# Altium PCB Ixora.PcbDoc (part 4 of 13)
Units mm, origin at the board's own origin, x right, y up, seen from the top; angles counter-clockwise.
Board outline 125 x 90 mm, 6 copper layers (Top Layer, GND, Mid-Layer 1, Mid-Layer 2, POWER, Bottom Layer), stack 1.561 mm thick; 454 components, 512 nets, 2071 pads, 863 vias.
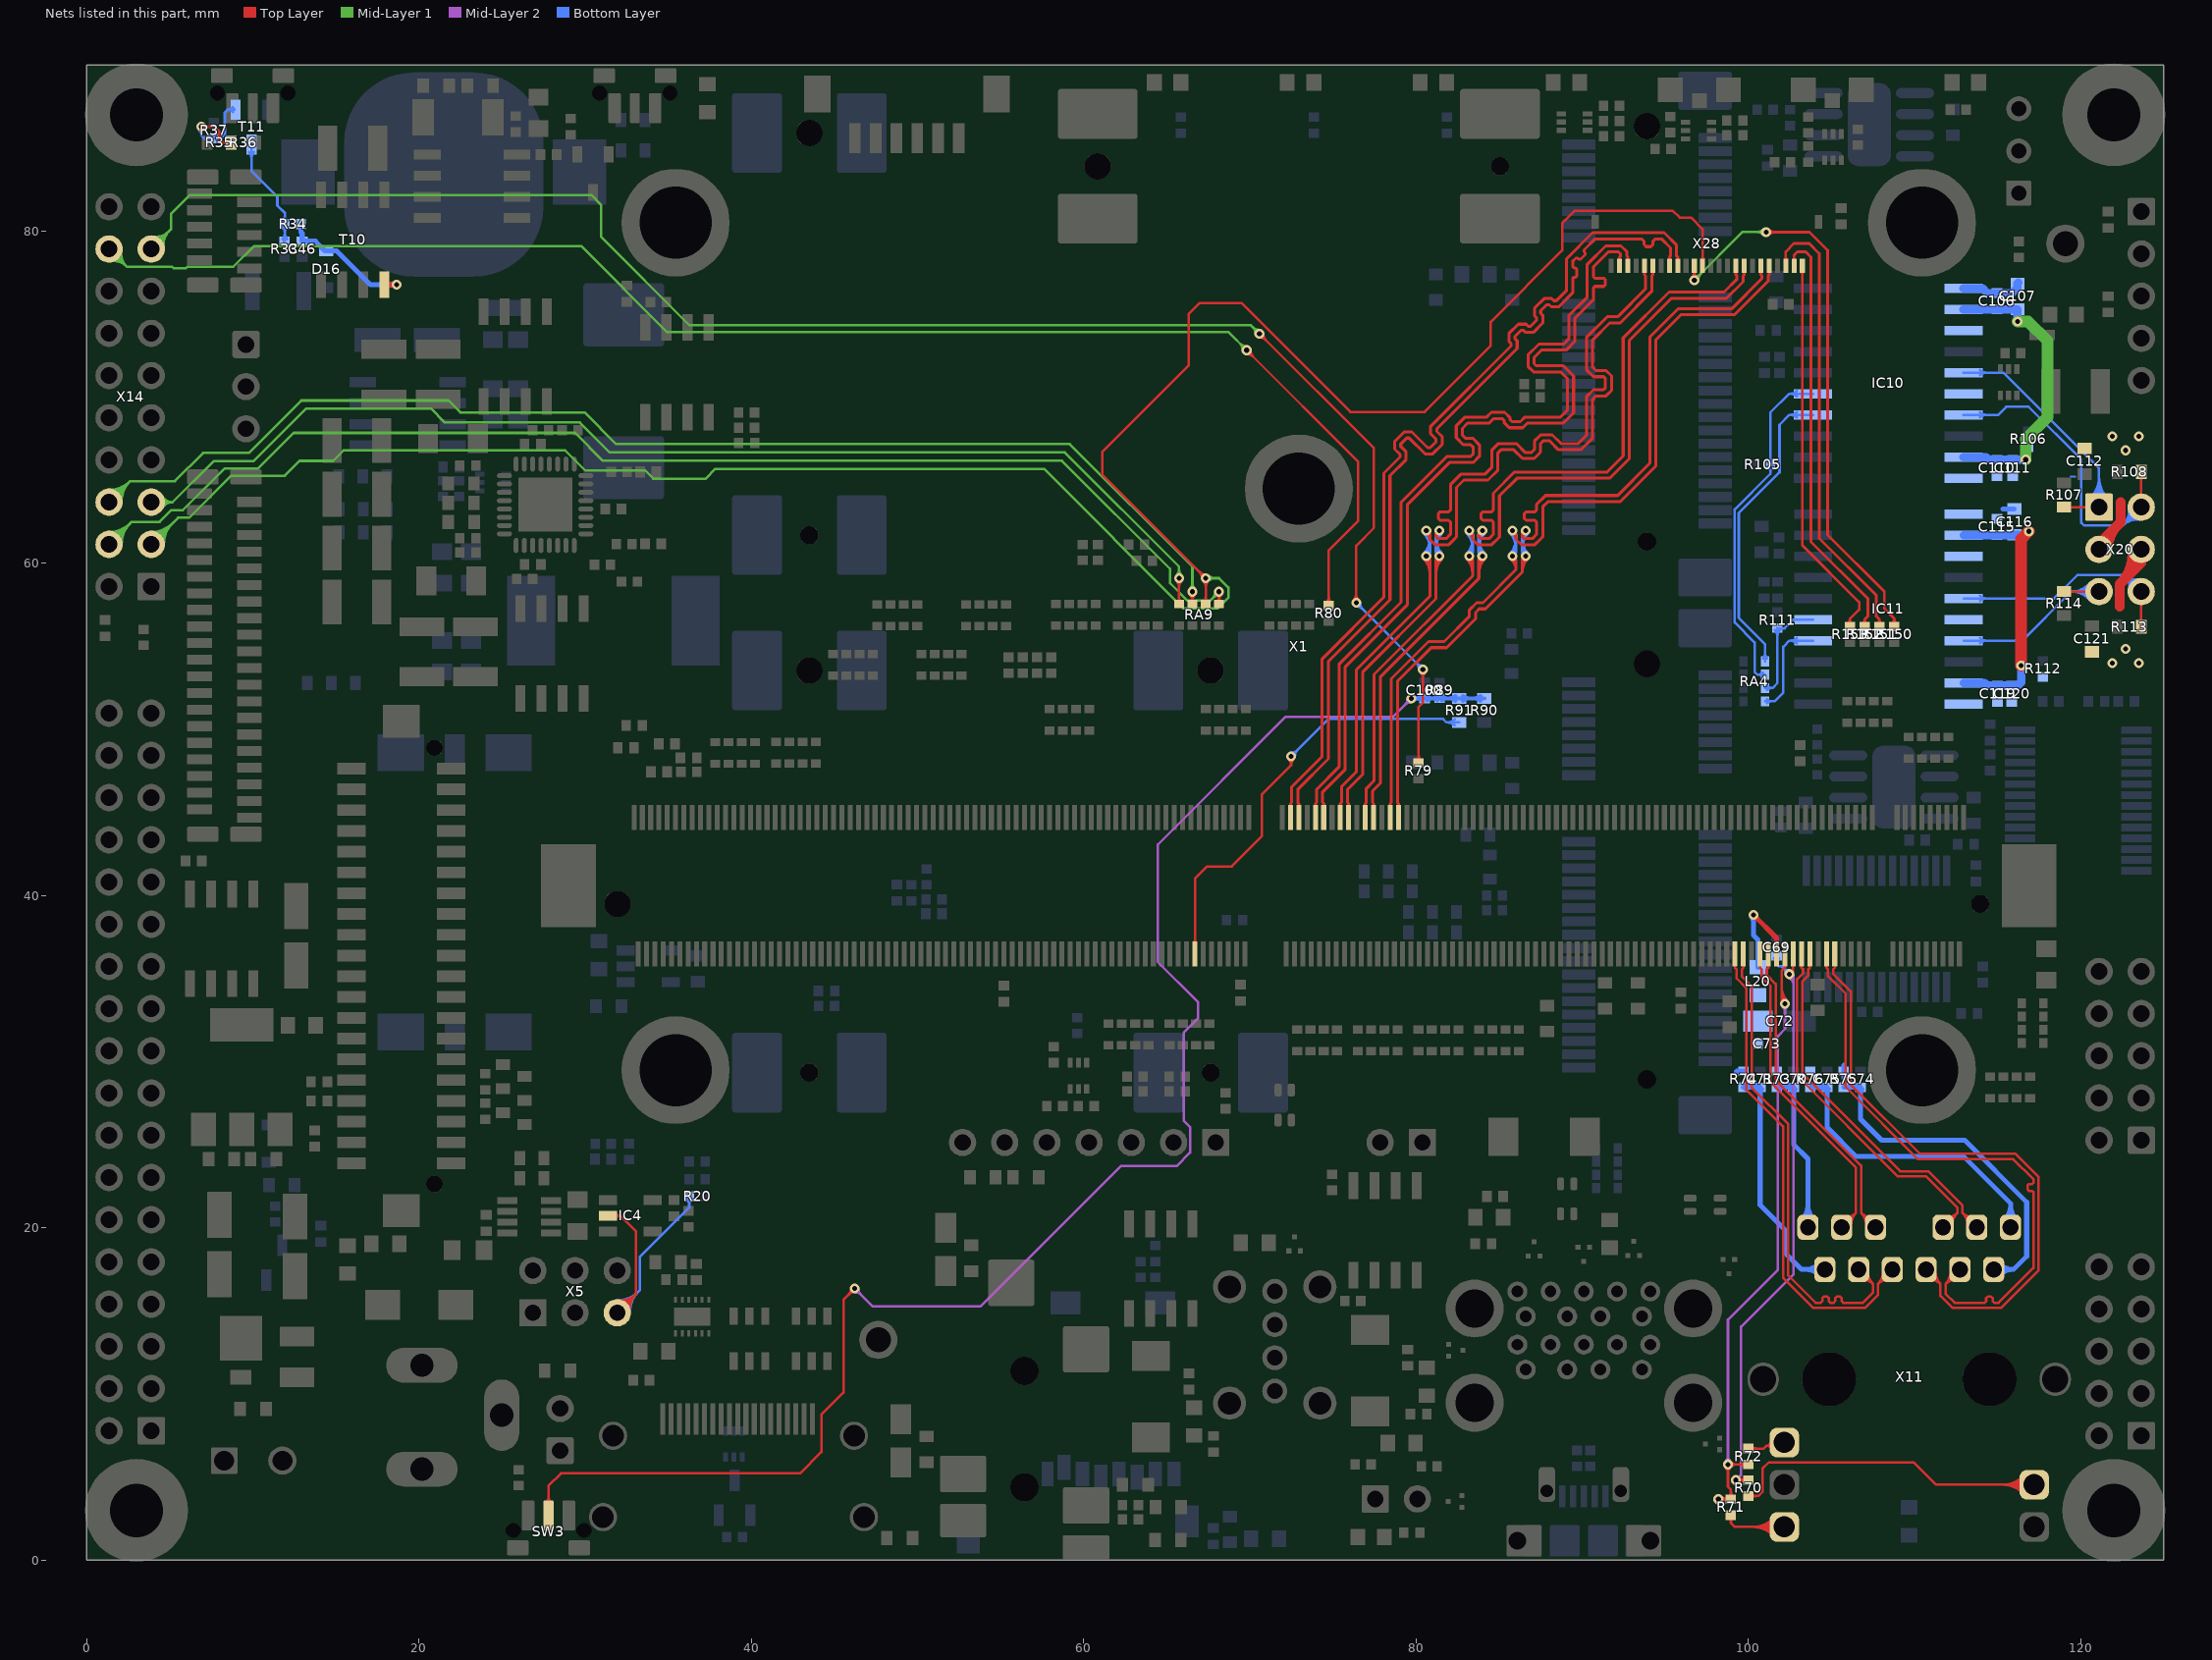
[diagram p8: the nets of this part, all layers, seen from the top]

## Via types
v1: diameter 0.6, hole 0.3, Top Layer to Bottom Layer, tented both sides, 852 vias
v2: diameter 0.6, hole 0.3, Top Layer to Bottom Layer, 11 vias

## Nets (pads, with @x,y where several pads share a name; then routed paths per layer and width w, separated by ;. In a path a pad name is that pad's centre, name@x,y a point inside that pad or via, vN(x,y) a via of type N, cw(c..) or ccw(c..) an arc to the next point about the centre after c; other vN are vias at no path point) (continued)
CAM1_D8: R79.2 X14.17 | length 115.8
  Top Layer w0.15: v1(70.578,73.824) v1@70.578,73.821 ; v1@70.578,73.593 v1@70.578,73.821 ; v1@70.578,73.599 cw(c70.578,73.056) 70.962,73.44 cw(c71.346,73.824) v1@70.803,73.824 ; v1(70.578,73.824) v1@70.578,73.821 ; v1@76.244,57.792 ccw(c75.86,58.176) 76.403,58.176 ccw(c76.946,58.176) v1@76.562,57.792 ; v1(76.403,57.633) 76.403,61.068 77.47,62.135 77.47,66.929 v1@70.578,73.821 ; R79.2@80.014,48.139 ccw(c79.655,48.497) 80.162,48.497 ccw(c80.669,48.497) R79.2@80.311,48.139 ; R79.2@80.162,47.99 80.162,51.359 80.416,51.613 v1(80.416,53.619) ; 80.416,53.076 cw(c80.96,53.076) 80.575,53.46 ccw(c80.96,53.076) 80.416,53.076 ; 80.416,53.076 ccw(c79.873,53.076) 80.257,53.46 cw(c79.873,53.076) 80.416,53.076
  Mid-Layer 1 w0.15: X14.17@3.9,78.92 5.08,80.1 5.08,81.03 6.219,82.169 30.378,82.169 30.963,81.585 30.963,79.654 36.285,74.332 70.07,74.332 v1(70.578,73.824) v1@70.806,73.824 ; X14.17@3.962,79.366 ccw(c4.056,80.044) 4.54,79.56 ccw(c5.024,79.076) X14.17@4.346,78.982 ; X14.17@3.982,79.514 ccw(c4.108,80.418) 4.753,79.773 ccw(c5.398,79.128) X14.17@4.494,79.002 ; X14.17@4.003,79.663 ccw(c4.16,80.793) 4.966,79.986 ccw(c5.773,79.18) X14.17@4.643,79.023 ; v1@70.353,73.824 ccw(c69.81,73.824) 70.194,74.208 ccw(c70.578,74.592) v1@70.578,74.049
  Bottom Layer w0.15: v1@76.403,57.408 cw(c76.403,56.864) 76.787,57.248 cw(c77.171,57.633) v1@76.628,57.633 ; 76.784,57.252 v1(80.416,53.619) ; v1@80.191,53.619 ccw(c79.648,53.619) 80.032,54.003 ccw(c80.416,54.388) v1@80.416,53.844
CAM1_D9: R80.2 X14.18 | length 98.1
  Top Layer w0.15: v1@69.811,72.604 cw(c69.811,72.06) 70.195,72.445 cw(c70.579,72.829) v1@70.036,72.829 ; v1(69.811,72.829) 76.505,66.135 76.505,62.535 74.752,60.782 R80.2@74.752,57.478 ; R80.2@74.604,57.626 ccw(c74.245,57.985) 74.752,57.985 ccw(c75.259,57.985) R80.2@74.901,57.626
  Mid-Layer 1 w0.15: X14.18@1.36,78.92 2.429,77.851 5.156,77.851 5.258,77.749 5.969,77.749 6.071,77.851 8.839,77.851 10.091,79.102 29.762,79.102 34.95,73.915 68.725,73.915 v1(69.811,72.829) ; X14.18@1.438,78.477 cw(c1.543,77.879) 1.972,78.308 cw(c2.401,78.737) X14.18@1.803,78.842 ; X14.18@1.464,78.329 cw(c1.603,77.532) 2.176,78.104 cw(c2.748,78.677) X14.18@1.951,78.816 ; X14.18@1.49,78.181 cw(c1.664,77.184) 2.38,77.9 cw(c3.096,78.616) X14.18@2.099,78.79 ; v1@69.586,72.829 ccw(c69.043,72.829) 69.427,73.213 ccw(c69.811,73.597) v1@69.811,73.054
CAM1_HSYNC: RA9.5 X14.5 | length 75.5
  Top Layer w0.15: v1@65.589,58.947 cw(c65.205,58.563) 65.748,58.563 cw(c66.291,58.563) v1@65.907,58.947 ; RA9.5@65.624,57.68 ccw(c65.326,57.979) 65.748,57.979 ccw(c66.17,57.979) RA9.5@65.872,57.68 ; RA9.5@65.748,57.556 v1(65.748,59.106)
  Mid-Layer 1 w0.15: X14.5@3.9,63.68 5.18,63.68 ; X14.5@4.423,63.387 cw(c4.924,63.106) 4.924,63.68 cw(c4.924,64.254) X14.5@4.423,63.973 ; X14.5@4.554,63.313 cw(c5.18,62.963) 5.18,63.68 ; X14.5@4.554,64.047 ccw(c5.18,64.397) 5.18,63.68 ; v1@65.589,59.265 ccw(c65.205,59.649) 65.748,59.649 ccw(c66.291,59.649) v1@65.907,59.265 ; v1(65.748,59.106) 65.748,59.802 58.871,66.679 31.492,66.679 29.693,68.478 21.565,68.478 20.726,69.317 13.217,69.317 10.05,66.15 7.65,66.15 5.18,63.68
CAM1_MCLK: RA9.7 X14.3 X28.12 | length 150
  Top Layer w0.15: v1@67.123,59.106 ccw(c66.58,59.106) 66.964,59.49 ccw(c67.348,59.874) v1@67.348,59.331 ; v1@67.189,58.947 cw(c66.805,58.563) 67.348,58.563 cw(c67.891,58.563) v1@67.507,58.947 ; RA9.7@67.224,57.68 ccw(c66.926,57.979) 67.348,57.979 ccw(c67.77,57.979) RA9.7@67.472,57.68 ; RA9.7@67.348,57.556 v1(67.348,59.106) 61.138,65.316 61.138,66.726 66.319,71.907 66.319,75.006 66.98,75.667 69.496,75.667 76.048,69.114 80.519,69.114 84.505,73.1 84.505,74.537 88.797,78.83 88.797,80.456 89.571,81.229 95.447,81.229 95.868,80.808 96.554,80.808 97.25,80.112 X28.12@97.25,77.905 ; X28.12@97.197,78.309 ccw(c97.069,78.437) 97.25,78.437 ccw(c97.431,78.437) X28.12@97.303,78.309
  Mid-Layer 1 w0.15: X14.3@3.9,61.14 5.51,62.75 6.184,62.75 8.709,65.275 11.935,65.275 12.827,66.167 14.839,66.167 15.474,66.802 28.804,66.802 30.023,65.583 33.63,65.583 34.112,65.1 37.262,65.1 37.846,65.684 57.616,65.684 66.023,57.277 68.047,57.277 68.707,57.937 68.707,58.547 68.148,59.106 v1(67.348,59.106) ; X14.3@3.9,61.59 ccw(c3.9,62.676) 4.668,61.908 ccw(c5.436,61.14) X14.3@4.35,61.14 ; X14.3@3.9,61.74 ccw(c3.9,63.189) 4.924,62.164 ccw(c5.949,61.14) X14.3@4.5,61.14 ; X14.3@3.9,61.89 ccw(c3.9,63.701) 5.18,62.42 ccw(c6.461,61.14) X14.3@4.65,61.14 ; v1@67.507,58.947 cw(c67.891,58.563) 67.891,59.106 cw(c67.891,59.649) v1@67.507,59.265
CAM1_PCLK: RA9.8 X14.4 | length 84.4
  Top Layer w0.15: v1@67.989,58.134 cw(c67.605,57.75) 68.148,57.75 cw(c68.691,57.75) v1@68.307,58.134 ; RA9.8@68.024,57.68 ccw(c67.726,57.979) 68.148,57.979 ccw(c68.57,57.979) RA9.8@68.272,57.68 ; RA9.8@68.148,57.556 v1(68.148,58.293)
  Mid-Layer 1 w0.15: X14.4@1.36,61.14 2.72,62.5 4.4,62.5 5.1,63.2 5.8,63.2 8.3,65.7 10.316,65.7 12.466,67.85 29.407,67.85 31.08,66.177 58.701,66.177 65.202,59.676 65.202,58.801 66.243,57.76 67.615,57.76 v1(68.148,58.293) ; X14.4@1.36,61.59 ccw(c1.36,62.676) 2.128,61.908 ccw(c2.896,61.14) X14.4@1.81,61.14 ; X14.4@1.36,61.74 ccw(c1.36,63.189) 2.384,62.164 ccw(c3.409,61.14) X14.4@1.96,61.14 ; X14.4@1.36,61.89 ccw(c1.36,63.701) 2.64,62.42 ccw(c3.921,61.14) X14.4@2.11,61.14 ; v1@67.923,58.293 cw(c67.38,58.293) 67.764,57.909 cw(c68.148,57.525) v1@68.148,58.068
CAM1_VSYNC: RA9.6 X14.6 | length 83.2
  Top Layer w0.15: v1@66.389,58.134 cw(c66.005,57.75) 66.548,57.75 cw(c67.091,57.75) v1@66.707,58.134 ; RA9.6@66.424,57.68 ccw(c66.126,57.979) 66.548,57.979 ccw(c66.97,57.979) RA9.6@66.672,57.68 ; RA9.6@66.548,57.556 v1(66.548,58.293)
  Mid-Layer 1 w0.15: X14.6@1.36,63.68 2.63,64.95 ; X14.6@1.363,64.13 ccw(c1.369,65.195) 2.122,64.442 ccw(c2.875,63.689) X14.6@1.81,63.683 ; X14.6@1.363,64.28 ccw(c1.372,65.7) 2.376,64.696 ccw(c3.38,63.692) X14.6@1.96,63.683 ; X14.6@1.364,64.43 ccw(c1.375,66.205) 2.63,64.95 ; X14.6@2.11,63.684 cw(c3.885,63.695) 2.63,64.95 ; v1@66.389,58.452 ccw(c66.005,58.836) 66.548,58.836 ccw(c67.091,58.836) v1@66.707,58.452 ; v1(66.548,58.293) 66.548,59.802 59.169,67.181 31.879,67.181 29.972,69.088 22.504,69.088 21.792,69.8 12.924,69.8 9.774,66.65 7.02,66.65 5.32,64.95 2.63,64.95
CAN1_5V_ISO: C106.2 C107.2 C110.2 C111.2 IC10.12 IC10.19 | length 17.8
  Mid-Layer 1 w0.7: v1(116.2,74.55) 116.839,74.55 118.008,73.381 118.008,68.809 116.688,67.488 v1(116.688,66.24)
  Bottom Layer w0.5: IC10.19@112.95,66.4 114.307,66.4 114.467,66.24 C110.2@114.958,66.24 C111.2@115.9,66.24 v1(116.688,66.24) ; IC10.12@112.95,75.29 C106.2@114.958,75.29 C107.2@116.2,75.29 v1(116.2,74.55)
CAN1_GND_ISO: C106.1 C107.1 C110.1 C111.1 C112.1 IC10.11 IC10.13 IC10.16 IC10.20 R106.1 X20.3 | length 9.1
  Top Layer w0.6: X20.3@121.1,60.84 121.1,61.164 122.4,62.464 122.4,63.68 ; X20.3@121.625,60.84 cw(c123.675,60.84) 122.226,62.29
  Bottom Layer w0.1: 119.37,65.225 119.658,65.225 119.683,65.2
  Bottom Layer w0.5: IC10.11@112.95,76.56 114.09,76.56 114.38,76.27 C106.1@114.958,76.27 115.87,76.27 116.2,76.6 C107.1@116.2,76.84 C107.1@116.26,76.9
  other v1: 122.708,66.8 121.908,67.65 123.508,67.65
CAN1_H: IC10.17 R108.2 X20.2 | length 24.8
  Top Layer w0.15: X20.2@123.64,63.38 R108.2@123.64,65.5
  Bottom Layer w0.15: IC10.17@112.95,68.94 115.041,68.94 115.519,69.418 116.865,69.418 120.04,66.243 120.04,62.433 120.193,62.281 122.541,62.281 ; IC10.17@113.936,68.781 cw(c114.32,68.397) 114.32,68.94 cw(c114.32,69.483) IC10.17@113.936,69.099 ; X20.2@122.895,63.295 cw(c121.667,63.155) 122.541,62.281 ; X20.2@123.044,63.312 cw(c122.062,63.2) 122.761,62.501 cw(c123.46,61.802) X20.2@123.572,62.784 ; X20.2@123.193,63.329 cw(c122.456,63.245) 122.98,62.721 cw(c123.505,62.196) X20.2@123.589,62.933 ; X20.2@123.555,62.635 ccw(c123.415,61.407) 122.541,62.281 ; X20.2@123.64,63.38 122.541,62.281
CAN1_L: IC10.15 R107.2 X20.1 | length 22.7
  Top Layer w0.15: R107.2@119,63.38 X20.1@121.1,63.38
  Bottom Layer w0.15: IC10.15@112.95,71.48 115.337,71.48 121.1,65.717 X20.1@121.1,63.38 ; IC10.15@113.936,71.321 cw(c114.32,70.937) 114.32,71.48 cw(c114.32,72.023) IC10.15@113.936,71.639 ; X20.1@120.57,63.91 ccw(c119.289,65.191) 121.1,65.191 ccw(c122.911,65.191) X20.1@121.63,63.91 ; X20.1@120.676,63.804 ccw(c119.651,64.829) 121.1,64.829 ccw(c122.549,64.829) X20.1@121.524,63.804 ; X20.1@120.782,63.698 ccw(c120.014,64.466) 121.1,64.466 ccw(c122.186,64.466) X20.1@121.418,63.698
CAN1_RX: IC10.4 RA4.8 | length 19.7
  Bottom Layer w0.15: RA4.8@100.876,54.274 ccw(c100.578,54.572) 101,54.572 ccw(c101.422,54.572) RA4.8@101.124,54.274 ; RA4.8@101,54.1 101,55.144 99.425,56.719 99.425,63.035 101.875,65.485 101.875,68.337 102.478,68.94 IC10.4@103.895,68.94 ; IC10.4@102.909,68.781 ccw(c102.525,68.397) 102.525,68.94 ccw(c102.525,69.483) IC10.4@102.909,69.099
CAN1_TX: IC10.5 R105.1 RA4.7 | length 23.9
  Bottom Layer w0.15: RA4.7@100.876,53.176 ccw(c100.578,52.878) 100.578,53.3 ccw(c100.578,53.722) RA4.7@100.876,53.424 ; RA4.7@101,53.3 100.548,53.3 100.381,53.467 100.381,55.237 99.175,56.443 99.175,63.244 101.33,65.399 R105.1@101.33,65.95 101.33,69.08 102.46,70.21 IC10.5@103.895,70.21 ; R105.1@101.171,65.84 cw(c100.787,65.456) 101.33,65.456 cw(c101.873,65.456) R105.1@101.489,65.84 ; R105.1@101.171,66.062 ccw(c100.787,66.446) 101.33,66.446 ccw(c101.873,66.447) R105.1@101.489,66.062 ; IC10.5@102.909,70.051 ccw(c102.525,69.667) 102.525,70.21 ccw(c102.525,70.753) IC10.5@102.909,70.369
CAN2_5V_ISO: C115.2 C116.2 C119.2 C120.2 IC11.12 IC11.19 | length 16.9
  Top Layer w0.7: v1(116.419,53.859) 116.419,61.467 v1(116.88,61.928)
  Bottom Layer w0.5: IC11.19@112.955,52.81 114.218,52.81 114.388,52.64 C119.2@115,52.64 C120.2@115.85,52.64 116.216,52.64 116.419,52.843 v1(116.419,53.859) ; IC11.12@112.955,61.7 C115.2@114.958,61.7 115.95,61.7 115.975,61.725 C116.2@116,61.725 116.677,61.725 v1(116.88,61.928)
CAN2_GND_ISO: C115.1 C116.1 C119.1 C120.1 C121.1 IC11.11 IC11.13 IC11.16 IC11.20 R112.1 X20.4 | length 8.2
  Top Layer w0.6: 122.35,57.399 122.35,58.742 ; X20.4@123.116,60.802 cw(c120.483,60.609) 122.35,58.743 ; 123.277,59.67 ccw(c122.211,60.736) X20.4@123.715,60.845 ; X20.4@123.64,60.84 123.64,60.032 122.35,58.742
  Bottom Layer w0.3: 115.331,63.275 C116.1@116,63.275
  other v1: 121.9,54 123.5,54 122.7,54.85
CAN2_H: IC11.17 R114.2 X20.5 | length 18.3
  Top Layer w0.15: R114.2@119,58.3 X20.5@121.1,58.3
  Bottom Layer w0.15: IC11.17@112.955,55.35 116.488,55.35 119.438,58.3 ; IC11.17@113.941,55.191 cw(c114.325,54.807) 114.325,55.35 cw(c114.325,55.893) IC11.17@113.941,55.509 ; X20.5@120.538,57.804 ccw(c119.438,56.833) 119.438,58.3 ; X20.5@120.538,58.796 cw(c119.438,59.767) 119.438,58.3 ; X20.5@120.65,57.903 ccw(c119.77,57.127) 119.77,58.3 ccw(c119.77,59.473) X20.5@120.65,58.697 ; X20.5@120.763,58.002 ccw(c120.103,57.42) 120.103,58.3 ccw(c120.103,59.18) X20.5@120.763,58.598 ; X20.5@121.1,58.3 119.438,58.3
CAN2_L: IC11.15 R113.2 X20.6 | length 19.1
  Top Layer w0.15: R113.2@123.64,56.182 X20.6@123.64,58.3
  Bottom Layer w0.15: IC11.15@112.955,57.89 118.388,57.89 119.798,59.3 122.64,59.3 ; IC11.15@113.941,57.731 cw(c114.325,57.347) 114.325,57.89 cw(c114.325,58.433) IC11.15@113.941,58.049 ; X20.6@122.903,58.442 ccw(c121.962,58.622) 122.64,59.3 ; X20.6@123.051,58.413 ccw(c122.298,58.558) 122.84,59.1 ccw(c123.382,59.642) X20.6@123.527,58.889 ; X20.6@123.198,58.385 ccw(c122.633,58.493) 123.04,58.9 ccw(c123.447,59.307) X20.6@123.555,58.742 ; X20.6@123.498,59.037 cw(c123.318,59.978) 122.64,59.3 ; X20.6@123.64,58.3 122.64,59.3
CAN2_RX: IC11.4 RA4.5 | length 7.5
  Bottom Layer w0.15: RA4.5@101,51.7 101.58,51.7 102.1,52.22 102.1,54.983 102.467,55.35 IC11.4@103.9,55.35 ; RA4.5@101.124,51.576 cw(c101.422,51.278) 101.422,51.7 cw(c101.422,52.122) RA4.5@101.124,51.824 ; IC11.4@102.914,55.191 ccw(c102.53,54.807) 102.53,55.35 ccw(c102.53,55.893) IC11.4@102.914,55.509
CAN2_TX: IC11.5 R111.1 RA4.6 | length 8.1
  Bottom Layer w0.15: RA4.6@101,52.5 101.45,52.5 101.75,52.8 R111.1@101.75,56.09 ; RA4.6@101.124,52.376 cw(c101.422,52.078) 101.422,52.5 cw(c101.422,52.922) RA4.6@101.124,52.624 ; R111.1@101.591,55.985 cw(c101.207,55.6) 101.75,55.6 cw(c102.293,55.601) R111.1@101.909,55.985 ; R111.1@101.75,56.11 R111.1@101.75,56.09 ; IC11.5@103.9,56.62 102.7,56.62 102.17,56.09 R111.1@101.75,56.09
CSI_CLK_N: X1.161 X28.8 | length 53.6
  Top Layer w0.18: X1.161@72.95,44.7 72.95,45.542 72.885,45.607 72.885,46.393 74.727,48.234 74.727,54.102 78.435,57.81 78.435,65.278 79.406,66.249 79.406,66.711 79.086,67.032 79.086,67.187 79.44,67.541 79.594,67.541 80.544,66.591 81.006,66.591 81.577,67.161 81.577,67.623 81.256,67.944 81.256,68.099 86.087,72.929 86.087,73.391 85.962,73.515 85.962,73.67 86.316,74.024 86.471,74.024 86.596,73.9 87.057,73.9 87.628,74.471 87.628,74.932 87.504,75.056 87.504,75.211 87.858,75.565 88.013,75.565 88.137,75.441 88.598,75.441 89.433,76.276 89.433,77.14 89.516,77.222 89.601,77.222 89.683,77.304 89.683,77.688 89.601,77.77 89.516,77.77 89.433,77.852 89.433,78.181 89.616,78.363 89.732,78.363 89.792,78.303 89.908,78.303 90.179,78.574 90.179,78.691 90.119,78.751 90.119,78.867 90.78,79.527 93.58,79.527 93.717,79.39 93.717,79.197 93.854,79.06 94.128,79.06 94.265,79.197 94.265,79.39 94.402,79.527 94.778,79.527 95.315,78.99 95.315,78.5 95.25,78.435 X28.8@95.25,77.905
CSI_CLK_P: X1.163 X28.9 | length 53.6
  Top Layer w0.18: X1.163@72.45,44.7 72.45,45.542 72.515,45.607 72.515,46.546 74.357,48.388 74.357,54.255 78.065,57.964 78.065,65.431 79.036,66.402 79.036,66.557 78.716,66.878 78.716,67.34 79.286,67.911 79.748,67.911 80.698,66.961 80.853,66.961 81.207,67.315 81.207,67.47 80.886,67.79 80.886,68.252 85.717,73.083 85.717,73.238 85.592,73.362 85.592,73.823 86.163,74.394 86.625,74.394 86.749,74.27 86.904,74.27 87.258,74.624 87.258,74.779 87.134,74.903 87.134,75.364 87.704,75.935 88.166,75.935 88.29,75.811 88.445,75.811 89.063,76.429 89.063,78.334 90.626,79.897 94.931,79.897 95.685,79.143 95.685,78.5 95.75,78.435 X28.9@95.75,77.905
CSI_D0_N: X1.155 X28.2 | length 53.6
  Top Layer w0.18: X1.155@74.45,44.7 74.45,45.542 74.385,45.607 74.385,46.242 75.743,47.6 75.743,53.772 79.477,57.506 79.477,63.525 82.017,66.065 83.439,66.065 83.82,66.446 83.82,67.132 83.439,67.513 82.997,67.513 82.793,67.717 82.793,68.122 83.11,68.439 84.407,68.439 84.685,68.716 85.186,68.716 85.295,68.607 85.295,68.487 85.621,68.161 86.429,68.161 86.706,68.439 88.86,68.439 89.484,69.063 89.484,71.272 88.86,71.896 87.224,71.896 87.111,72.01 87.111,72.389 87.555,72.833 89.038,72.833 89.56,73.355 89.56,74.752 90.678,75.87 90.678,76.585 90.76,76.667 91.305,76.667 91.387,76.749 91.387,77.082 91.305,77.164 90.76,77.164 90.678,77.247 90.678,77.851 91.567,78.74 92.187,78.74 92.315,78.612 92.315,78.5 92.25,78.435 X28.2@92.25,77.905
CSI_D0_P: X1.157 X28.3 | length 53.6
  Top Layer w0.18: X1.157@73.95,44.7 73.95,45.542 74.015,45.607 74.015,46.395 75.373,47.753 75.373,53.925 79.107,57.659 79.107,63.679 81.863,66.435 83.286,66.435 83.45,66.6 83.45,66.979 83.286,67.143 82.844,67.143 82.423,67.564 82.423,68.275 82.956,68.809 84.254,68.809 84.532,69.086 85.339,69.086 85.665,68.76 85.665,68.641 85.775,68.531 86.275,68.531 86.553,68.809 88.707,68.809 89.114,69.216 89.114,71.119 88.707,71.526 87.071,71.526 86.741,71.857 86.741,72.542 87.401,73.203 88.885,73.203 89.19,73.508 89.19,74.905 90.308,76.023 90.308,78.004 91.414,79.11 92.34,79.11 92.685,78.765 92.685,78.5 92.75,78.435 X28.3@92.75,77.905
CSI_D1_N: X1.149 X28.5 | length 55.8
  Top Layer w0.18: X1.149@75.95,44.7 75.95,45.542 75.885,45.607 75.885,46.396 76.784,47.295 76.784,53.442 81.204,57.861 81.204,60.217 v1(81.414,60.427) ; 81.204,59.413 cw(c82.428,59.413) v1@81.562,60.278 ; 81.204,59.847 cw(c81.993,59.847) v1@81.435,60.405 ; 81.204,61.588 cw(c81.426,61.588) v1@81.42,61.81 ; 81.204,61.722 cw(c81.421,61.722) v1@81.415,61.939 ; v1(81.414,61.969) 81.204,61.759 81.204,61.592 81.302,61.493 81.82,61.493 82.074,61.747 82.074,62.486 81.971,62.589 81.444,62.589 81.341,62.691 81.341,63 81.444,63.103 81.971,63.103 82.074,63.206 82.074,64.726 82.728,65.38 84.176,65.38 84.557,65.761 84.557,66.802 84.963,67.208 86.041,67.208 86.568,66.681 86.96,66.681 87.124,66.846 87.124,67.355 87.505,67.735 88.203,67.735 88.73,67.208 89.764,67.208 90.257,67.702 90.257,70.029 90.677,70.449 91.287,70.449 91.4,70.562 91.4,71.119 91.287,71.233 90.677,71.233 90.257,71.653 90.257,73.595 91.505,74.843 92.14,74.843 93.815,76.518 93.815,77.303 93.75,77.368 X28.5@93.75,77.905
  Bottom Layer w0.18: 81.204,60.955 cw(c82.428,60.955) v1@81.562,61.821 ; 81.204,61.006 ccw(c81.993,61.006) v1@81.435,60.448 ; 81.204,61.39 cw(c81.993,61.39) v1@81.435,61.948 ; 81.204,61.441 ccw(c82.428,61.441) v1@81.562,60.575 ; v1(81.414,60.427) 81.204,60.637 81.204,61.759 v1(81.414,61.969)